# KiCad board chromogram.kicad_pcb (continued)
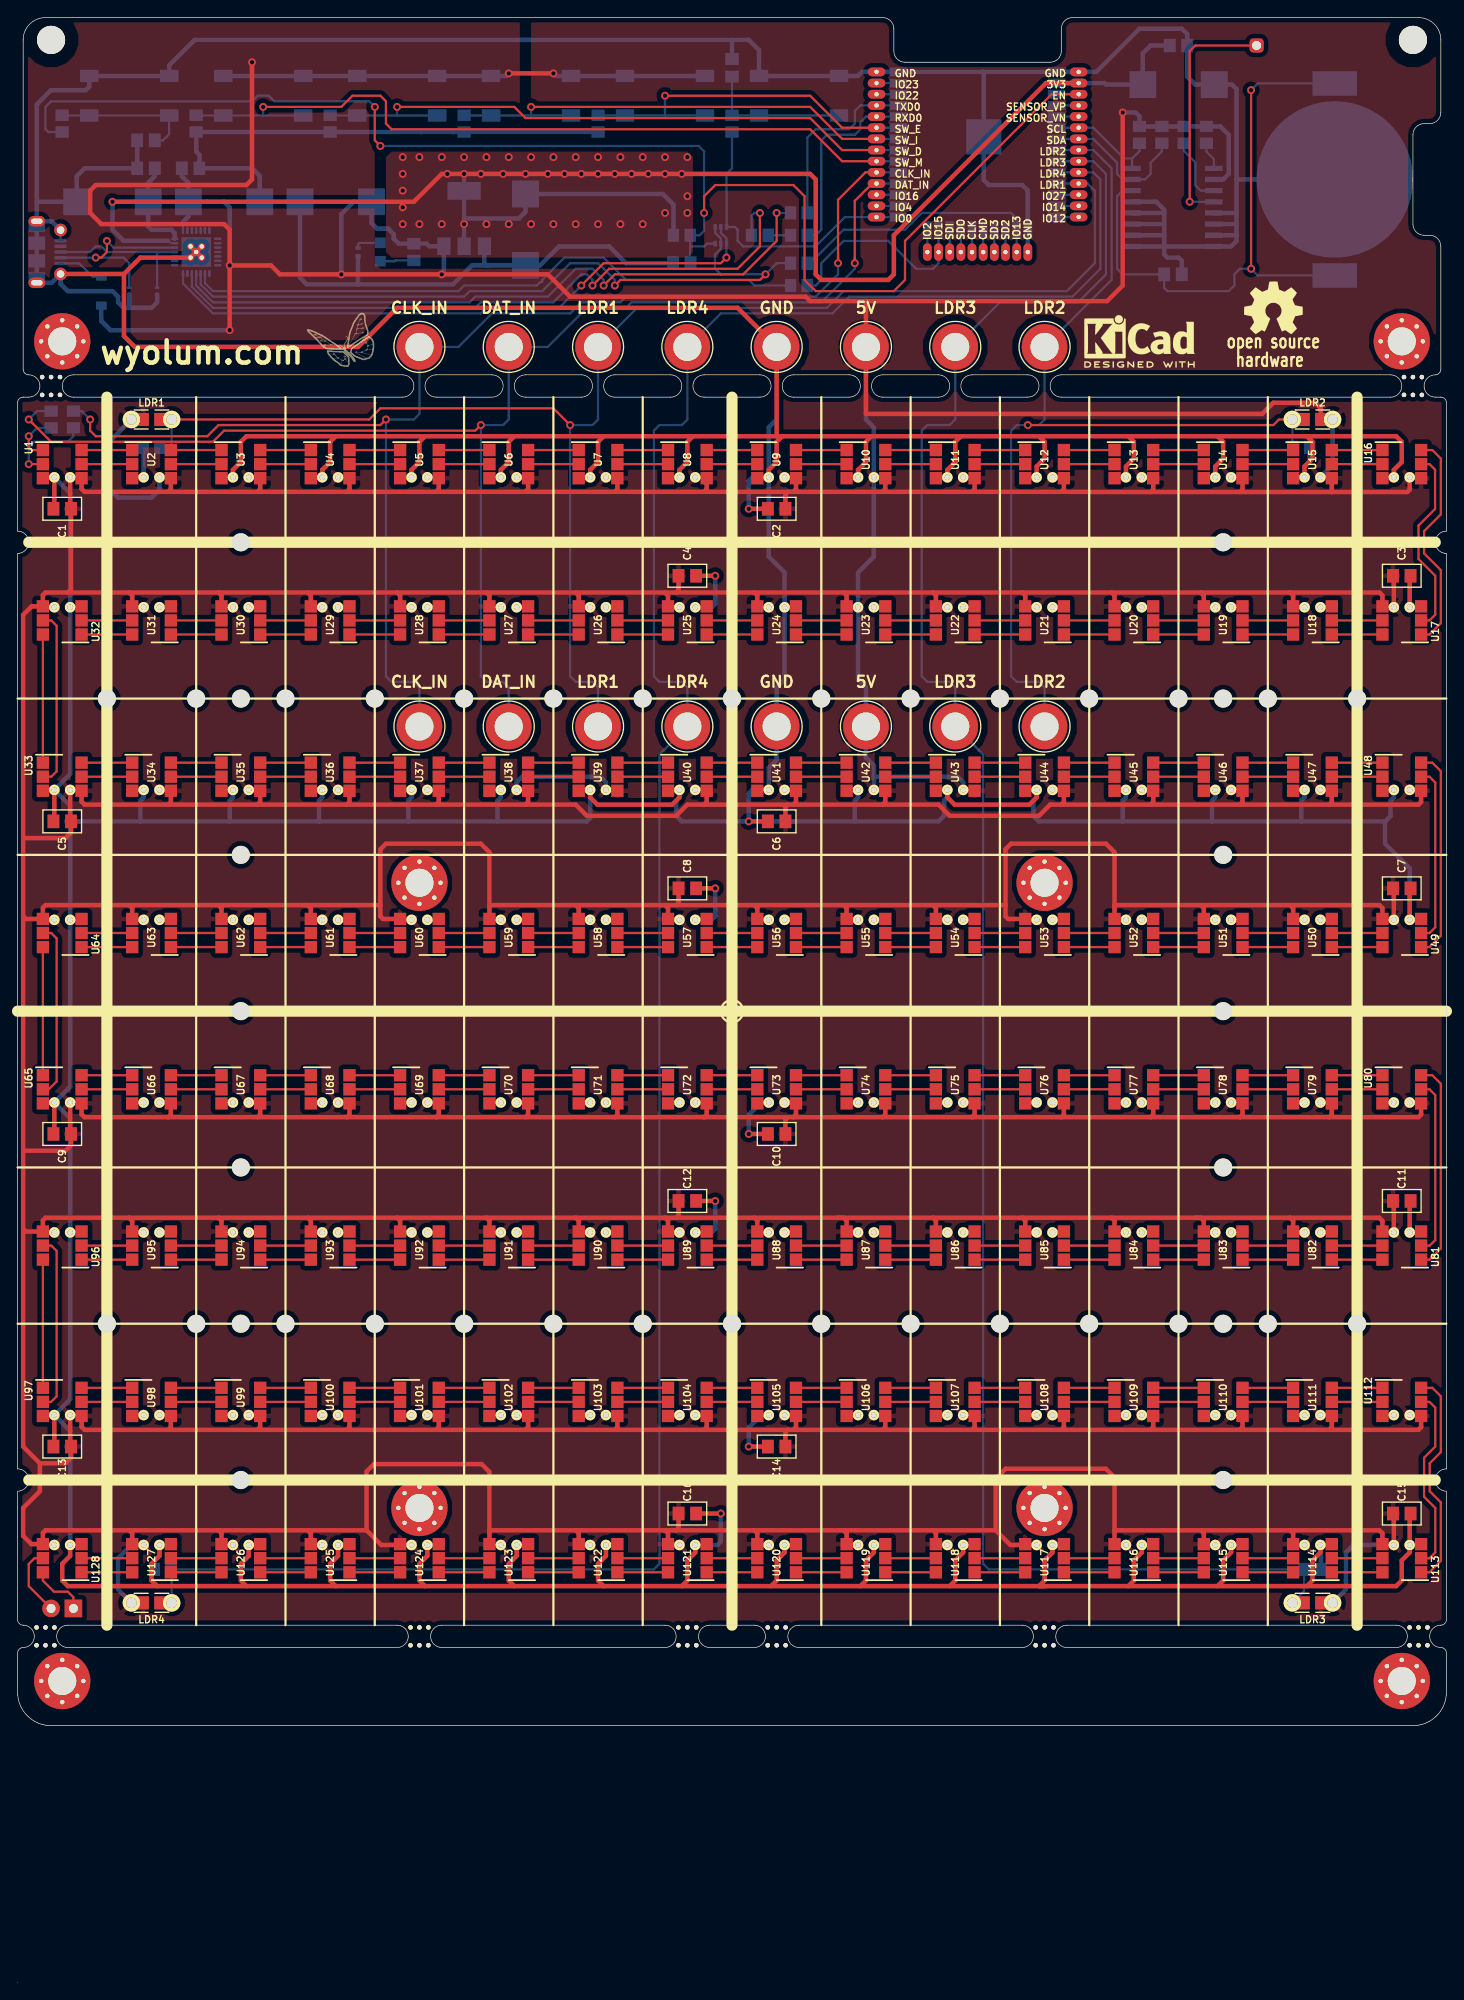
[diagram p0: board, top side]
## Routing (per net, layer and track width the routed paths; a pad name or vN(x,y) marks a point on that pad's centre or on a via; arc(x,y) is an arc through that point) (continued)
/CI_A: length 10.1
  Top w0.254: v1(1.27,172.72) U1.2
  Bottom w0.254: R2.2 6.35,175.89 5.72,175.26 1.91,175.26 1.27,174.62 v1(1.27,172.72)
/CI_B: length 21.8
  Top w0.254: U16.5 160.63,172.72 161.27,172.08 161.27,167.62 159.39,165.74 159.39,161.93 161.29,160.02 161.29,155.6 160.63,154.94 U17.2
/CI_C: length 20.2
  Top w0.254: U32.5 3.83,154.94 4.45,154.33 4.45,137.77 3.83,137.16 U33.2
/CI_D: length 20.2
  Top w0.254: U49.2 160.63,119.38 161.29,120.04 161.29,136.5 160.63,137.16 U48.5
/CI_E: length 20
  Top w0.254: U64.5 3.83,119.38 4.45,118.77 4.45,102.5 3.55,101.6 U65.2
/CI_F: length 20.2
  Top w0.254: U80.5 160.63,101.6 161.29,100.94 161.29,84.45 160.66,83.82 U81.2
/CI_G: length 20.2
  Top w0.254: U96.5 3.83,83.82 4.45,83.21 4.45,66.67 3.81,66.04 U97.2
/CI_H: length 21.3
  Top w0.254: U113.2 160.63,48.26 161.29,48.92 161.29,53.97 160.02,55.25 160.02,59.69 161.29,60.96 161.29,65.38 160.63,66.04 U112.5
/CLK: length 2.5
  Bottom w0.254: U129.20 U129.20
/CLK_IN: length 157.4
  Top w0.254: U129.29 96.47,205.91 93.34,202.79 v1(93.34,195.58) 93.34,196.85 ; v1(8.26,177.8) 8.26,176.53 8.89,175.89 21.59,175.89 22.86,177.16 41.27,177.16 v1(41.91,177.8)
  Bottom w0.254: v1(93.34,195.58) 93.34,194.31 90.81,191.77 69.22,191.77 68.58,191.13 64.13,191.13 62.87,189.87 53.98,189.87 50.16,186.06 J1.1 45.72,178.44 45.09,177.8 v1(41.91,177.8) 41.91,148.59 42.54,147.95 45.09,147.95 45.72,147.32 J9.1 ; U129.29 U129.29 97.22,205.91 ; v1(8.26,177.8) 7.3,178.75 R2.1
/CLK_OUT: length 8
  Top w0.254: 3.81,42.54 1.27,45.08 1.27,47.6 1.93,48.26 U128.5
/CMD: length 2.5
  Bottom w0.254: U129.19 U129.19
/DAT_IN: length 162.3
  Top w0.254: v1(1.27,177.8) 3.81,175.26 22.23,175.26 23.49,176.53 52.07,176.53 v1(52.71,177.16) ; 95.25,196.21 v1(95.25,195.58) 95.25,196.22 ; 95.25,196.22 95.25,202.67 97.22,204.64 U129.28
  Bottom w0.254: J10.1 55.88,147.32 55.24,147.95 53.34,147.95 52.71,148.59 v1(52.71,177.16) 55.24,177.16 55.88,177.8 J2.1 60.32,186.06 64.77,190.5 69.22,190.5 69.85,191.13 91.44,191.13 95.25,194.94 v1(95.25,195.58) ; v1(1.27,177.8) 2.22,178.75 R1.1 ; 97.22,204.64 U129.28 U129.28
/DAT_OUT: length 6.5
  Top w0.254: P2.1 6.35,43.81 5.72,44.45 4.14,44.45 2.88,45.71 U128.6
/DI_A: length 5.9
  Top w0.254: U1.1 1.58,174.32 1.27,174.62 v1(1.27,175.89)
  Bottom w0.254: R1.2 2.22,176.85 v1(1.27,175.89)
/DI_B: length 25.7
  Top w0.254: U17.1 160.63,153.34 161.93,154.63 161.93,160.65 160.02,162.56 160.02,165.1 161.93,167 161.93,173.35 160.96,174.32 U16.6
/DI_C: length 14.6
  Top w0.254: U32.6 U33.1
/DI_D: length 24.1
  Top w0.254: U49.1 160.63,117.78 161.93,119.07 161.93,137.79 160.96,138.76 U48.6
/DI_E: length 14.6
  Top w0.254: U64.6 U65.1
/DI_F: length 24.1
  Top w0.254: U81.1 160.63,82.22 161.93,83.51 161.93,102.23 160.96,103.2 U80.6
/DI_G: length 14.6
  Top w0.254: U96.6 U97.1
/DI_H: length 25.2
  Top w0.254: U112.6 160.96,67.64 161.93,66.67 161.93,60.32 160.66,59.06 160.66,55.88 161.93,54.61 161.93,47.95 160.63,46.66 U113.1
/DTR: length 70.8
  Top w0.254: v1(80.65,196.21) 80.01,195.58 66.68,195.58 v1(64.13,193.04)
  Bottom w0.254: v1(64.13,193.04) 61.6,190.5 53.34,190.5 52.71,189.87 22.23,189.87 18.82,193.27 U132.28 ; Q1.2 80.01,199.03 80.66,198.38 80.66,197.81 80.65,197.79 v1(80.65,196.21)
/EN: length 171.9
  Top w0.254: v1(78.11,201.29) 78.11,203.2 79.38,204.47 88.27,204.47 89.53,203.2 89.53,193.68 90.81,192.4 99.7,192.4 100.97,193.68 100.97,198.12 117.65,214.8 U129.3 ; v1(40.64,213.36) 40.64,209.55 v1(41.27,208.91)
  Bottom w0.254: 76.52,197.49 78.11,197.49 78.43,197.81 Q1.6 ; 76.52,197.49 R3.2 77.59,198.75 78.11,199.27 v1(78.11,201.29) 78.11,208.28 77.47,208.91 v1(41.27,208.91) ; 76.52,197.49 76.52,195.63 C19.1 ; R16.1 3.49,210.5 3.18,210.82 3.18,213.36 3.81,214 26.67,214 27.3,214.63 28.57,214.63 29.21,214 40.01,214 v1(40.64,213.36) ; U129.3 U129.3
/esp_pwr_uart/CTS: length 71.1
  Bottom w0.254: U132.23 21.32,193.31 22.23,192.4 50.16,192.4 50.8,193.04 59.05,193.04 59.44,193.42 59.61,193.42 59.69,193.5 59.69,193.68 62.23,196.21 66.68,196.21 69.22,193.68 83.19,193.68 83.82,193.04 R19.2
/esp_pwr_uart/RTS: length 84.3
  Top w0.254: v1(67.94,193.04) 68.58,193.68 84.46,193.68 v1(85.09,194.31)
  Bottom w0.254: R20.2 86.36,195.58 v1(85.09,194.31) 80.01,194.31 79.34,194.98 79.34,196.55 80.01,197.23 Q1.5 80.01,198.38 79.36,199.03 Q1.1 ; v1(67.94,193.04) 67.94,193.68 66.04,195.58 62.87,195.58 59.69,192.4 51.43,192.4 50.8,191.77 22.23,191.77 20.82,193.18 U132.24
/esp_pwr_uart/RXD: length 77.8
  Top w0.254: v1(66.68,193.04) 67.94,194.31 82.55,194.31 86.36,198.12 v1(86.36,201.29)
  Bottom w0.254: v1(86.36,201.29) R21.2 ; v1(66.68,193.04) 66.68,193.68 65.41,194.94 63.5,194.94 60.32,191.77 52.07,191.77 51.43,191.13 22.23,191.13 20.32,193.04 U132.25
/esp_pwr_uart/TXD: length 2.5
  Bottom w0.254: R23.2 R22.1
/esp_pwr_uart/USB_D+: length 17.6
  Bottom w0.254: D3.2 15.88,196.85 ; 15.88,196.85 U132.4 ; 15.88,196.85 10.16,196.85 9.52,197.49 8.89,197.49 8.26,196.85 P1.3
/esp_pwr_uart/USB_D-: length 21.7
  Top w0.254: v1(8.89,196.21) 9.52,196.21 10.16,196.85 v1(10.16,198.12)
  Bottom w0.254: v1(10.16,198.12) 10.93,197.35 U132.5 ; D4.2 12.7,195.58 12.06,196.21 v1(8.89,196.21) 8.87,196.2 P1.2
/IO0: length 33.7
  Bottom w0.254: R18.1 81.28,206.38 80.66,205.75 80.66,199.7 81.6,199.7 81.92,199.39 81.92,198.12 82.55,197.49 90.81,197.49 94.15,200.83 U129.25 U129.25
/IO2: length 2.5
  Bottom w0.254: U129.24 U129.24
/IO4: length 2.5
  Bottom w0.254: U129.26 U129.26
/IO12: length 2.5
  Bottom w0.254: U129.14 U129.14
/IO13: length 30.3
  Bottom w0.254: U129.16 U129.16 113.67,200.66 113.03,201.29 102.87,201.29 100.97,199.39 93.98,199.39 90.17,195.58 R20.1
/IO14: length 2.5
  Bottom w0.254: U129.13 U129.13
/IO15: length 23.5
  Bottom w0.254: U129.23 U129.23 104.78,195.58 104.14,194.94 102.24,194.94 99.06,198.12 93.98,198.12 91.44,195.58 91.44,193.68 90.81,193.04 R19.1
/IO16: length 2.5
  Bottom w0.254: U129.27 U129.27
/IO22: length 2.5
  Bottom w0.254: U129.36 U129.36
/IO23: length 2.5
  Bottom w0.254: U129.37 U129.37
/IO27: length 2.5
  Bottom w0.254: U129.12 U129.12
/LDR1: length 174
  Top w0.254: LDR1.2 LDR1.2 40.01,177.8 41.27,179.07 60.96,179.07 v1(62.87,177.16)
  Bottom w0.254: U129.11 U129.11 121.75,204.64 122.56,203.83 122.56,195.58 119.38,192.4 93.98,192.4 92.08,190.5 70.49,190.5 J3.1 66.04,177.8 65.41,177.16 v1(62.87,177.16) 62.87,148.59 63.5,147.95 65.41,147.95 66.04,147.32 J11.1 ; LDR1.2 17.53,175.05 17.1,174.62 R12.1
/LDR2: length 114.8
  Top w0.254: LDR2.2 LDR2.2 143.51,177.8 142.88,177.16 v1(114.94,177.16)
  Bottom w0.254: R13.1 145.03,174.69 LDR2.2 ; U129.8 U129.8 122.39,208.45 124.46,206.38 124.46,193.68 J4.1 116.84,177.8 116.21,177.16 v1(114.94,177.16) 113.67,177.16 113.03,176.53 113.03,148.59 113.67,147.95 116.21,147.95 116.84,147.32 J12.1
/LDR3: length 226.5
  Top w0.254: LDR3.2 LDR3.2
  Bottom w0.254: LDR3.2 146.37,44.51 R14.1 110.49,46.99 109.86,47.62 109.86,139.7 J13.1 106.68,147.32 106.05,147.95 103.5,147.95 102.87,148.59 102.87,176.53 103.5,177.16 106.05,177.16 106.68,177.8 J5.1 111.76,191.13 120.65,191.13 123.83,194.31 123.83,205.74 122.39,207.18 U129.9 U129.9
/LDR4: length 273
  Top w0.254: LDR4.2 LDR4.2
  Bottom w0.254: LDR4.2 17.53,46.93 R15.1 72.39,46.99 73.03,47.62 73.03,139.7 J14.1 76.2,147.32 75.56,147.95 73.03,147.95 72.39,148.59 72.39,176.53 73.03,177.16 75.56,177.16 76.2,177.8 J6.1 80.01,189.87 92.71,189.87 94.62,191.77 120.02,191.77 123.19,194.94 123.19,205.1 122.39,205.91 U129.10 U129.10
/rtc_ds3231/32kHz: length 3.2
  Bottom w0.254: U130.1 136.1,207.44 135.25,208.28 R7.2
/rtc_ds3231/BAT: length 69.2
  Top w0.254: v1(140.34,194.94) v1(140.34,215.26)
  Bottom w0.254: 149.86,216.03 141.1,216.03 v1(140.34,215.26) ; U130.14 125.73,203.83 125.09,203.2 125.09,194.94 125.73,194.31 C22.1 130.45,192.77 130.81,192.4 137.8,192.4 138.43,193.04 138.43,194.31 139.06,194.94 v1(140.34,194.94) 141.1,194.18 BT1.1
/rtc_ds3231/RESET: length 27.8
  Top w0.254: v1(133.35,202.56) 133.35,219.71 133.99,220.34 TP1.1
  Bottom w0.254: U130.4 v1(133.35,202.56)
/rtc_ds3231/SQR: length 7.7
  Bottom w0.254: U130.3 134.62,203.83 133.99,204.47 133.99,207.06 132.72,208.33 R6.2
/RXD0: length 22.4
  Bottom w0.254: R23.1 90.81,198.75 91.44,199.39 91.44,209.55 92.08,210.19 95.25,210.19 95.89,210.82 95.89,211.62 96.52,212.26 U129.34 U129.34
/SCL: length 13.2
  Bottom w0.254: 126.79,207.49 127.64,208.33 R8.2 ; 126.79,207.49 U130.16 ; 126.79,207.49 125.89,207.49 122.39,210.99 U129.6 U129.6
/SD2: length 2.5
  Bottom w0.254: U129.17 U129.17
/SD3: length 2.5
  Bottom w0.254: U129.18 U129.18
/SDA: length 17.6
  Bottom w0.254: U129.7 U129.7 122.39,209.72 125.09,207.01 125.09,205.74 125.73,205.1 U130.15 128.27,205.1 128.91,205.74 128.91,207.01 130.18,208.28 R9.2
/SDI: length 2.5
  Bottom w0.254: U129.22 U129.22
/SDO: length 2.5
  Bottom w0.254: U129.21 U129.21
/SENSOR_VN: length 2.5
  Bottom w0.254: U129.5 U129.5
/SENSOR_VP: length 2.5
  Bottom w0.254: U129.4 U129.4
/SW_D: length 72.2
  Top w0.254: U129.31 93.81,208.45 90.17,212.09 57.79,212.09 56.52,213.36 v1(43.18,213.36)
  Bottom w0.254: R24.1 35.59,212.38 S5.2 43.18,212.38 ; 43.18,212.38 v1(43.18,213.36) ; 43.18,212.38 S5.4 ; U129.31 U129.31
/SW_E: length 42.5
  Top w0.254: U129.33 93.81,210.99 90.17,214.63 v1(73.66,214.63)
  Bottom w0.254: S1.4 73.66,212.38 ; 73.66,212.38 S1.2 66.07,212.38 R10.1 ; 73.66,212.38 v1(73.66,214.63) ; U129.33 U129.33
/SW_I: length 56.5
  Top w0.254: U129.32 93.81,209.72 90.17,213.36 v1(58.42,213.36)
  Bottom w0.254: 62.97,212.38 58.42,212.38 ; 58.42,212.38 v1(58.42,213.36) ; 58.42,212.38 S2.2 50.83,212.38 R11.1 ; U129.32 U129.32
/SW_M: length 90.5
  Top w0.254: v1(27.94,213.36) 36.83,213.36 38.1,214.63 41.27,214.63 41.91,214 41.91,211.45 42.54,210.82 90.17,210.82 93.81,207.18 U129.30
  Bottom w0.254: R25.1 20.35,212.38 S6.2 27.94,212.38 ; 27.94,212.38 v1(27.94,213.36) ; 27.94,212.38 S6.4 ; U129.30 U129.30
/TXD0: length 21.3
  Bottom w0.254: R21.1 89.85,209.87 90.81,210.82 94.62,210.82 95.25,211.45 95.25,212.89 95.89,213.53 U129.35 U129.35
Net-(C20-Pad1): length 16.2
  Bottom w0.254: C20.1 16.53,209.55 17.25,210.27 S3.1 S3.3 5.11,212.38 R16.2
Net-(C21-Pad1): length 16.6
  Bottom w0.254: S4.1 S4.3 81.31,212.38 R18.2 C21.1
Net-(D1-Pad1): length 5.3
  Bottom w0.254: P1.1 7.02,195.55 8.51,194.06 D1.1
Net-(D2-Pad1): length 3.8
  Bottom w0.254: R4.2 42.99,195.9 42.89,195.8 D2.1
Net-(D2-Pad2): length 3.1
  Bottom w0.254: D2.2 38.88,197.9 38.74,197.75 JP1.2
Net-(R22-Pad2): length 78.6
  Top w0.254: v1(84.46,201.29) 84.46,197.49 81.92,194.94 67.31,194.94 v1(65.41,193.04)
  Bottom w0.254: R22.2 83.5,200.98 83.82,201.29 v1(84.46,201.29) ; U132.26 19.82,192.9 22.23,190.5 52.07,190.5 52.71,191.13 60.96,191.13 64.13,194.31 64.77,194.31 65.41,193.68 v1(65.41,193.04)
Net-(U1-Pad5): length 5.8
  Top w0.254: U1.5 U2.2
Net-(U1-Pad6): length 5.8
  Top w0.254: U1.6 U2.1
Net-(U2-Pad5): length 5.8
  Top w0.254: U2.5 U3.2
Net-(U2-Pad6): length 5.8
  Top w0.254: U2.6 U3.1
Net-(U3-Pad5): length 5.8
  Top w0.254: U3.5 U4.2
Net-(U3-Pad6): length 5.8
  Top w0.254: U3.6 U4.1
Net-(U4-Pad5): length 5.8
  Top w0.254: U4.5 U5.2
Net-(U4-Pad6): length 5.8
  Top w0.254: U4.6 U5.1
Net-(U5-Pad5): length 5.8
  Top w0.254: 47.92,172.72 U6.2
Net-(U5-Pad6): length 5.8
  Top w0.254: 47.92,174.32 U6.1
Net-(U6-Pad5): length 5.8
  Top w0.254: U6.5 U7.2
Net-(U6-Pad6): length 5.8
  Top w0.254: U6.6 U7.1
Net-(U7-Pad5): length 5.8
  Top w0.254: U7.5 U8.2
Net-(U7-Pad6): length 5.8
  Top w0.254: U7.6 U8.1
Net-(U8-Pad5): length 5.8
  Top w0.254: U8.5 84.16,172.72
Net-(U8-Pad6): length 5.8
  Top w0.254: U8.6 84.16,174.32
Net-(U10-Pad1): length 5.8
  Top w0.254: U9.6 U10.1
Net-(U10-Pad2): length 5.8
  Top w0.254: U9.5 U10.2
Net-(U10-Pad5): length 5.8
  Top w0.254: U10.5 U11.2
Net-(U10-Pad6): length 5.8
  Top w0.254: U10.6 U11.1
Net-(U11-Pad5): length 5.8
  Top w0.254: U11.5 U12.2
Net-(U11-Pad6): length 5.8
  Top w0.254: U11.6 U12.1
Net-(U12-Pad5): length 5.8
  Top w0.254: U12.5 U13.2
Net-(U12-Pad6): length 5.8
  Top w0.254: U12.6 U13.1
Net-(U13-Pad5): length 5.8
  Top w0.254: U13.5 U14.2
Net-(U13-Pad6): length 5.8
  Top w0.254: U13.6 U14.1
Net-(U14-Pad5): length 5.8
  Top w0.254: U14.5 145.12,172.72
Net-(U14-Pad6): length 5.8
  Top w0.254: U14.6 145.12,174.32
Net-(U15-Pad5): length 5.8
  Top w0.254: U15.5 155.28,172.72
Net-(U15-Pad6): length 5.8
  Top w0.254: U15.6 155.28,174.32
Net-(U17-Pad5): length 5.8
  Top w0.254: U18.2 155.28,154.94
Net-(U17-Pad6): length 5.8
  Top w0.254: 155.28,153.34 U18.1
Net-(U18-Pad5): length 5.8
  Top w0.254: U19.2 145.12,154.94
Net-(U18-Pad6): length 5.8
  Top w0.254: 145.12,153.34 U19.1
Net-(U19-Pad5): length 5.8
  Top w0.254: U20.2 U19.5
Net-(U19-Pad6): length 5.8
  Top w0.254: U19.6 U20.1
Net-(U20-Pad5): length 5.8
  Top w0.254: U21.2 U20.5
Net-(U20-Pad6): length 5.8
  Top w0.254: U20.6 U21.1
Net-(U21-Pad5): length 5.8
  Top w0.254: U22.2 U21.5
Net-(U21-Pad6): length 5.8
  Top w0.254: U21.6 U22.1
Net-(U22-Pad5): length 5.8
  Top w0.254: U23.2 U22.5
Net-(U22-Pad6): length 5.8
  Top w0.254: U22.6 U23.1
Net-(U23-Pad5): length 5.8
  Top w0.254: U24.2 U23.5
Net-(U23-Pad6): length 5.8
  Top w0.254: U23.6 U24.1
Net-(U24-Pad5): length 5.8
  Top w0.254: U25.2 84.16,154.94
Net-(U24-Pad6): length 5.8
  Top w0.254: 84.16,153.34 U25.1
Net-(U25-Pad5): length 5.8
  Top w0.254: U26.2 U25.5
Net-(U25-Pad6): length 5.8
  Top w0.254: U25.6 U26.1
Net-(U26-Pad5): length 5.8
  Top w0.254: U27.2 U26.5
Net-(U26-Pad6): length 5.8
  Top w0.254: U26.6 U27.1
Net-(U27-Pad5): length 5.8
  Top w0.254: 47.92,154.94 U27.5
Net-(U27-Pad6): length 5.8
  Top w0.254: U27.6 47.92,153.34
Net-(U28-Pad5): length 5.8
  Top w0.254: U29.2 U28.5
Net-(U28-Pad6): length 5.8
  Top w0.254: U28.6 U29.1
Net-(U29-Pad5): length 5.8
  Top w0.254: U30.2 U29.5
Net-(U29-Pad6): length 5.8
  Top w0.254: U29.6 U30.1
Net-(U30-Pad5): length 5.8
  Top w0.254: U31.2 U30.5
Net-(U30-Pad6): length 5.8
  Top w0.254: U30.6 U31.1
Net-(U31-Pad5): length 5.8
  Top w0.254: U32.2 U31.5
Net-(U31-Pad6): length 5.8
  Top w0.254: U31.6 U32.1
Net-(U33-Pad5): length 5.8
  Top w0.254: U33.5 U34.2
Net-(U33-Pad6): length 5.8
  Top w0.254: U33.6 U34.1
Net-(U34-Pad5): length 5.8
  Top w0.254: U35.2 U34.5
Net-(U34-Pad6): length 5.8
  Top w0.254: U34.6 U35.1
Net-(U35-Pad5): length 5.8
  Top w0.254: U36.2 U35.5
Net-(U35-Pad6): length 5.8
  Top w0.254: U35.6 U36.1
Net-(U36-Pad5): length 5.8
  Top w0.254: U36.5 U37.2
Net-(U36-Pad6): length 5.8
  Top w0.254: U36.6 U37.1
Net-(U37-Pad5): length 5.8
  Top w0.254: U38.2 47.92,137.16
Net-(U37-Pad6): length 5.8
  Top w0.254: 47.92,138.76 U38.1
Net-(U38-Pad5): length 5.8
  Top w0.254: U39.2 U38.5
Net-(U38-Pad6): length 5.8
  Top w0.254: U38.6 U39.1
Net-(U39-Pad5): length 5.8
  Top w0.254: U40.2 U39.5
Net-(U39-Pad6): length 5.8
  Top w0.254: U39.6 U40.1
Net-(U40-Pad5): length 5.8
  Top w0.254: 84.16,137.16 U40.5
Net-(U40-Pad6): length 5.8
  Top w0.254: U40.6 84.16,138.76
Net-(U41-Pad5): length 5.8
  Top w0.254: U42.2 U41.5
Net-(U41-Pad6): length 5.8
  Top w0.254: U41.6 U42.1
Net-(U42-Pad5): length 5.8
  Top w0.254: U43.2 U42.5
Net-(U42-Pad6): length 5.8
  Top w0.254: U42.6 U43.1
Net-(U43-Pad5): length 5.8
  Top w0.254: U44.2 U43.5
Net-(U43-Pad6): length 5.8
  Top w0.254: U43.6 U44.1
Net-(U44-Pad5): length 5.8
  Top w0.254: U44.5 U45.2
Net-(U44-Pad6): length 5.8
  Top w0.254: U44.6 U45.1
Net-(U45-Pad5): length 5.8
  Top w0.254: U46.2 U45.5
Net-(U45-Pad6): length 5.8
  Top w0.254: U45.6 U46.1
Net-(U46-Pad5): length 5.8
  Top w0.254: 145.12,137.16 U46.5
Net-(U46-Pad6): length 5.8
  Top w0.254: U46.6 145.12,138.76
Net-(U47-Pad5): length 5.8
  Top w0.254: 155.28,137.16 U47.5
Net-(U47-Pad6): length 5.8
  Top w0.254: U47.6 155.28,138.76
Net-(U49-Pad5): length 5.8
  Top w0.254: U50.2 155.28,119.38
Net-(U49-Pad6): length 5.8
  Top w0.254: 155.28,117.78 U50.1
Net-(U50-Pad5): length 5.8
  Top w0.254: U51.2 145.12,119.38
Net-(U50-Pad6): length 5.8
  Top w0.254: 145.12,117.78 U51.1
Net-(U51-Pad5): length 5.8
  Top w0.254: U52.2 U51.5
Net-(U51-Pad6): length 5.8
  Top w0.254: U51.6 U52.1
Net-(U52-Pad5): length 5.8
  Top w0.254: U53.2 U52.5
Net-(U52-Pad6): length 5.8
  Top w0.254: U52.6 U53.1
Net-(U53-Pad5): length 5.8
  Top w0.254: U54.2 U53.5
Net-(U53-Pad6): length 5.8
  Top w0.254: U53.6 U54.1
Net-(U54-Pad5): length 5.8
  Top w0.254: U55.2 U54.5
Net-(U54-Pad6): length 5.8
  Top w0.254: U54.6 U55.1
Net-(U55-Pad5): length 5.8
  Top w0.254: U56.2 U55.5
Net-(U55-Pad6): length 5.8
  Top w0.254: U55.6 U56.1
Net-(U56-Pad5): length 5.8
  Top w0.254: U57.2 84.16,119.38
Net-(U56-Pad6): length 5.8
  Top w0.254: 84.16,117.78 U57.1
Net-(U57-Pad5): length 5.8
  Top w0.254: U58.2 U57.5
Net-(U57-Pad6): length 5.8
  Top w0.254: U57.6 U58.1
Net-(U58-Pad5): length 5.8
  Top w0.254: U59.2 U58.5
Net-(U58-Pad6): length 5.8
  Top w0.254: U58.6 U59.1
Net-(U59-Pad5): length 5.8
  Top w0.254: 47.92,119.38 U59.5
Net-(U59-Pad6): length 5.8
  Top w0.254: U59.6 47.92,117.78
Net-(U60-Pad5): length 5.8
  Top w0.254: U61.2 U60.5
Net-(U60-Pad6): length 5.8
  Top w0.254: U60.6 U61.1
Net-(U61-Pad5): length 5.8
  Top w0.254: U62.2 U61.5
Net-(U61-Pad6): length 5.8
  Top w0.254: U61.6 U62.1
Net-(U62-Pad5): length 5.8
  Top w0.254: U63.2 U62.5
Net-(U62-Pad6): length 5.8
  Top w0.254: U62.6 U63.1
Net-(U63-Pad5): length 5.8
  Top w0.254: U64.2 U63.5
Net-(U63-Pad6): length 5.8
  Top w0.254: U63.6 U64.1
Net-(U65-Pad5): length 5.8
  Top w0.254: U66.2 U65.5
Net-(U65-Pad6): length 5.8
  Top w0.254: U65.6 U66.1
Net-(U66-Pad5): length 5.8
  Top w0.254: U67.2 U66.5
Net-(U66-Pad6): length 5.8
  Top w0.254: U66.6 U67.1
Net-(U67-Pad5): length 5.8
  Top w0.254: U68.2 U67.5
Net-(U67-Pad6): length 5.8
  Top w0.254: U67.6 U68.1
Net-(U68-Pad5): length 5.8
  Top w0.254: U69.2 U68.5
Net-(U68-Pad6): length 5.8
  Top w0.254: U68.6 U69.1
Net-(U69-Pad5): length 5.8
  Top w0.254: U70.2 47.92,101.6
Net-(U69-Pad6): length 5.8
  Top w0.254: 47.92,103.2 U70.1
Net-(U70-Pad5): length 5.8
  Top w0.254: U71.2 U70.5
Net-(U70-Pad6): length 5.8
  Top w0.254: U70.6 U71.1
Net-(U71-Pad5): length 5.8
  Top w0.254: U72.2 U71.5
Net-(U71-Pad6): length 5.8
  Top w0.254: U71.6 U72.1
Net-(U72-Pad5): length 5.8
  Top w0.254: 84.16,101.6 U72.5
Net-(U72-Pad6): length 5.8
  Top w0.254: U72.6 84.16,103.2
Net-(U73-Pad5): length 5.8
  Top w0.254: U74.2 U73.5
Net-(U73-Pad6): length 5.8
  Top w0.254: U73.6 U74.1
Net-(U74-Pad5): length 5.8
  Top w0.254: U75.2 U74.5
Net-(U74-Pad6): length 5.8
  Top w0.254: U74.6 U75.1
Net-(U75-Pad5): length 5.8
  Top w0.254: U76.2 U75.5
Net-(U75-Pad6): length 5.8
  Top w0.254: U75.6 U76.1
Net-(U76-Pad5): length 5.8
  Top w0.254: U77.2 U76.5
Net-(U76-Pad6): length 5.8
  Top w0.254: U76.6 U77.1
Net-(U77-Pad5): length 5.8
  Top w0.254: U78.2 U77.5
Net-(U77-Pad6): length 5.8
  Top w0.254: U77.6 U78.1
Net-(U78-Pad5): length 5.8
  Top w0.254: 145.12,101.6 U78.5
Net-(U78-Pad6): length 5.8
  Top w0.254: U78.6 145.12,103.2
Net-(U79-Pad5): length 5.8
  Top w0.254: 155.28,101.6 U79.5
Net-(U79-Pad6): length 5.8
  Top w0.254: U79.6 155.28,103.2
Net-(U81-Pad5): length 5.8
  Top w0.254: U82.2 155.28,83.82
Net-(U81-Pad6): length 5.8
  Top w0.254: 155.28,82.22 U82.1
Net-(U82-Pad5): length 5.8
  Top w0.254: U83.2 145.12,83.82
Net-(U82-Pad6): length 5.8
  Top w0.254: 145.12,82.22 U83.1
Net-(U83-Pad5): length 5.8
  Top w0.254: U84.2 U83.5
Net-(U83-Pad6): length 5.8
  Top w0.254: U83.6 U84.1
Net-(U84-Pad5): length 5.8
  Top w0.254: U85.2 U84.5
Net-(U84-Pad6): length 5.8
  Top w0.254: U84.6 U85.1
Net-(U85-Pad5): length 5.8
  Top w0.254: U86.2 U85.5
Net-(U85-Pad6): length 5.8
  Top w0.254: U85.6 U86.1
Net-(U86-Pad5): length 5.8
  Top w0.254: U87.2 U86.5
Net-(U86-Pad6): length 5.8
  Top w0.254: U86.6 U87.1
Net-(U87-Pad5): length 5.8
  Top w0.254: U88.2 U87.5
Net-(U87-Pad6): length 5.8
  Top w0.254: U87.6 U88.1
Net-(U88-Pad5): length 5.8
  Top w0.254: U89.2 84.16,83.82
Net-(U88-Pad6): length 5.8
  Top w0.254: 84.16,82.22 U89.1
Net-(U89-Pad5): length 5.8
  Top w0.254: U90.2 U89.5
Net-(U89-Pad6): length 5.8
  Top w0.254: U89.6 U90.1
Net-(U90-Pad5): length 5.8
  Top w0.254: U91.2 U90.5
Net-(U90-Pad6): length 5.8
  Top w0.254: U90.6 U91.1
Net-(U91-Pad5): length 5.8
  Top w0.254: 47.92,83.82 U91.5
Net-(U91-Pad6): length 5.8
  Top w0.254: U91.6 47.92,82.22
Net-(U92-Pad5): length 5.8
  Top w0.254: U93.2 U92.5
Net-(U92-Pad6): length 5.8
  Top w0.254: U92.6 U93.1
Net-(U93-Pad5): length 5.8
  Top w0.254: U94.2 U93.5
Net-(U93-Pad6): length 5.8
  Top w0.254: U93.6 U94.1
Net-(U94-Pad5): length 5.8
  Top w0.254: U95.2 U94.5
Net-(U94-Pad6): length 5.8
  Top w0.254: U94.6 U95.1
Net-(U95-Pad5): length 5.8
  Top w0.254: U96.2 U95.5
Net-(U95-Pad6): length 5.8
  Top w0.254: U95.6 U96.1
Net-(U97-Pad5): length 5.8
  Top w0.254: U98.2 U97.5
Net-(U97-Pad6): length 5.8
  Top w0.254: U97.6 U98.1
Net-(U98-Pad5): length 5.8
  Top w0.254: U99.2 U98.5
Net-(U98-Pad6): length 5.8
  Top w0.254: U98.6 U99.1
Net-(U100-Pad1): length 5.8
  Top w0.254: U99.6 U100.1
Net-(U100-Pad2): length 5.8
  Top w0.254: U100.2 U99.5
Net-(U100-Pad5): length 5.8
  Top w0.254: U101.2 U100.5
Net-(U100-Pad6): length 5.8
  Top w0.254: U100.6 U101.1
Net-(U101-Pad5): length 5.8
  Top w0.254: U102.2 47.92,66.04
Net-(U101-Pad6): length 5.8
  Top w0.254: 47.92,67.64 U102.1
Net-(U102-Pad5): length 5.8
  Top w0.254: U103.2 U102.5
Net-(U102-Pad6): length 5.8
  Top w0.254: U102.6 U103.1
Net-(U103-Pad5): length 5.8
  Top w0.254: U103.5 U104.2
Net-(U103-Pad6): length 5.8
  Top w0.254: U103.6 U104.1
Net-(U104-Pad5): length 5.8
  Top w0.254: 84.16,66.04 U104.5
Net-(U104-Pad6): length 5.8
  Top w0.254: U104.6 84.16,67.64
Net-(U105-Pad5): length 5.8
  Top w0.254: U106.2 U105.5
Net-(U105-Pad6): length 5.8
  Top w0.254: U105.6 U106.1
Net-(U106-Pad5): length 5.8
  Top w0.254: U107.2 U106.5
Net-(U106-Pad6): length 5.8
  Top w0.254: U106.6 U107.1
Net-(U107-Pad5): length 5.8
  Top w0.254: U108.2 U107.5
Net-(U107-Pad6): length 5.8
  Top w0.254: U107.6 U108.1
Net-(U108-Pad5): length 5.8
  Top w0.254: U109.2 U108.5
Net-(U108-Pad6): length 5.8
  Top w0.254: U108.6 U109.1
Net-(U109-Pad5): length 5.8
  Top w0.254: U110.2 U109.5
Net-(U109-Pad6): length 5.8
  Top w0.254: U109.6 U110.1
Net-(U110-Pad5): length 5.8
  Top w0.254: 145.12,66.04 U110.5
Net-(U110-Pad6): length 5.8
  Top w0.254: U110.6 145.12,67.64
Net-(U111-Pad5): length 5.8
  Top w0.254: 155.28,66.04 U111.5
Net-(U111-Pad6): length 5.8
  Top w0.254: U111.6 155.28,67.64
Net-(U113-Pad5): length 5.8
  Top w0.254: U114.2 155.28,48.26
Net-(U113-Pad6): length 5.8
  Top w0.254: 155.28,46.66 U114.1
Net-(U114-Pad5): length 5.8
  Top w0.254: U115.2 145.12,48.26
Net-(U114-Pad6): length 5.8
  Top w0.254: 145.12,46.66 U115.1
Net-(U115-Pad5): length 5.8
  Top w0.254: U116.2 U115.5
Net-(U115-Pad6): length 5.8
  Top w0.254: U115.6 U116.1
Net-(U116-Pad5): length 5.8
  Top w0.254: U117.2 U116.5
Net-(U116-Pad6): length 5.8
  Top w0.254: U116.6 U117.1
Net-(U117-Pad5): length 5.8
  Top w0.254: U118.2 U117.5
Net-(U117-Pad6): length 5.8
  Top w0.254: U117.6 U118.1
Net-(U118-Pad5): length 5.8
  Top w0.254: U119.2 U118.5
Net-(U118-Pad6): length 5.8
  Top w0.254: U118.6 U119.1
Net-(U119-Pad5): length 5.8
  Top w0.254: U120.2 U119.5
Net-(U119-Pad6): length 5.8
  Top w0.254: U119.6 U120.1
Net-(U120-Pad5): length 5.8
  Top w0.254: U121.2 84.16,48.26
Net-(U120-Pad6): length 5.8
  Top w0.254: 84.16,46.66 U121.1
Net-(U121-Pad5): length 5.8
  Top w0.254: U122.2 U121.5
Net-(U121-Pad6): length 5.8
  Top w0.254: U121.6 U122.1
Net-(U122-Pad5): length 5.8
  Top w0.254: U123.2 U122.5
Net-(U122-Pad6): length 5.8
  Top w0.254: U122.6 U123.1
Net-(U123-Pad5): length 5.8
  Top w0.254: 47.92,48.26 U123.5
Net-(U123-Pad6): length 5.8
  Top w0.254: U123.6 47.92,46.66
Net-(U124-Pad5): length 5.8
  Top w0.254: U125.2 U124.5
Net-(U124-Pad6): length 5.8
  Top w0.254: U124.6 U125.1
Net-(U125-Pad5): length 5.8
  Top w0.254: U126.2 U125.5
Net-(U125-Pad6): length 5.8
  Top w0.254: U125.6 U126.1
Net-(U126-Pad5): length 5.8
  Top w0.254: U127.2 U126.5
Net-(U126-Pad6): length 5.8
  Top w0.254: U126.6 U127.1
Net-(U127-Pad5): length 5.8
  Top w0.254: U128.2 U127.5
Net-(U127-Pad6): length 5.8
  Top w0.254: U127.6 U128.1

## Copper pours and planes (outline as drawn; the poured copper is in the pictures)
/3V3 on Top: 41.91,196.21 41.91,208.28 76.84,208.28 76.84,196.21
/3V3 on Bottom: 43.18,199.39 43.18,208.28 76.84,208.28 76.84,200.66 73.03,200.66 73.03,198.12 55.24,198.12 55.24,199.39
/5V on Top: -1.27,180.97 163.83,180.97 163.83,28.57 -1.27,28.57
/5V on Top: -1.27,225.42 57.15,225.42 57.15,209.55 40.64,209.55 40.64,194.94 77.47,194.94 78.11,195.58 78.11,209.55 58.42,209.55 58.42,225.42 163.83,225.42 163.83,182.25 -1.27,182.25
GND on Bottom: -0.63,180.97 163.2,180.97 163.2,28.57 -0.63,28.57
GND on Bottom: -0.63,225.42 57.79,225.42 57.79,208.91 42.54,208.91 42.54,197.49 77.47,197.49 77.47,208.91 59.05,208.91 59.05,225.42 163.2,225.42 163.2,182.25 -0.63,182.25

## Text on the board
B.SilkS: CONNECT MOAR / LEDS HERE | DAT|CLK | open source | hardware | CLK_IN | DAT_IN | LDR1 | LDR4 | To avoid damaging tracks, do not snap off. / Use hacksaw to separate boards if required. | GND | 5V | LDR3 | LDR2 | wyolum.com
F.SilkS: GND | IO23 | IO22 | TXD0 | RXD0 | SW_E | SW_I | SW_D | SW_M | CLK_IN | DAT_IN | IO16 | IO4 | IO0 | 3V3 | EN | SENSOR_VP | SENSOR_VN | SCL | SDA | LDR2 | LDR3 | LDR4 | LDR1 | IO27 | IO14 | IO12 | IO2 | IO15 | SDI | SDO | CLK | CMD | SD3 | SD2 | IO13 | hardware | open source | 5V | wyolum.com
